# Allegro board HI3516ADMEB_VER_C_PCB.brd (continued)
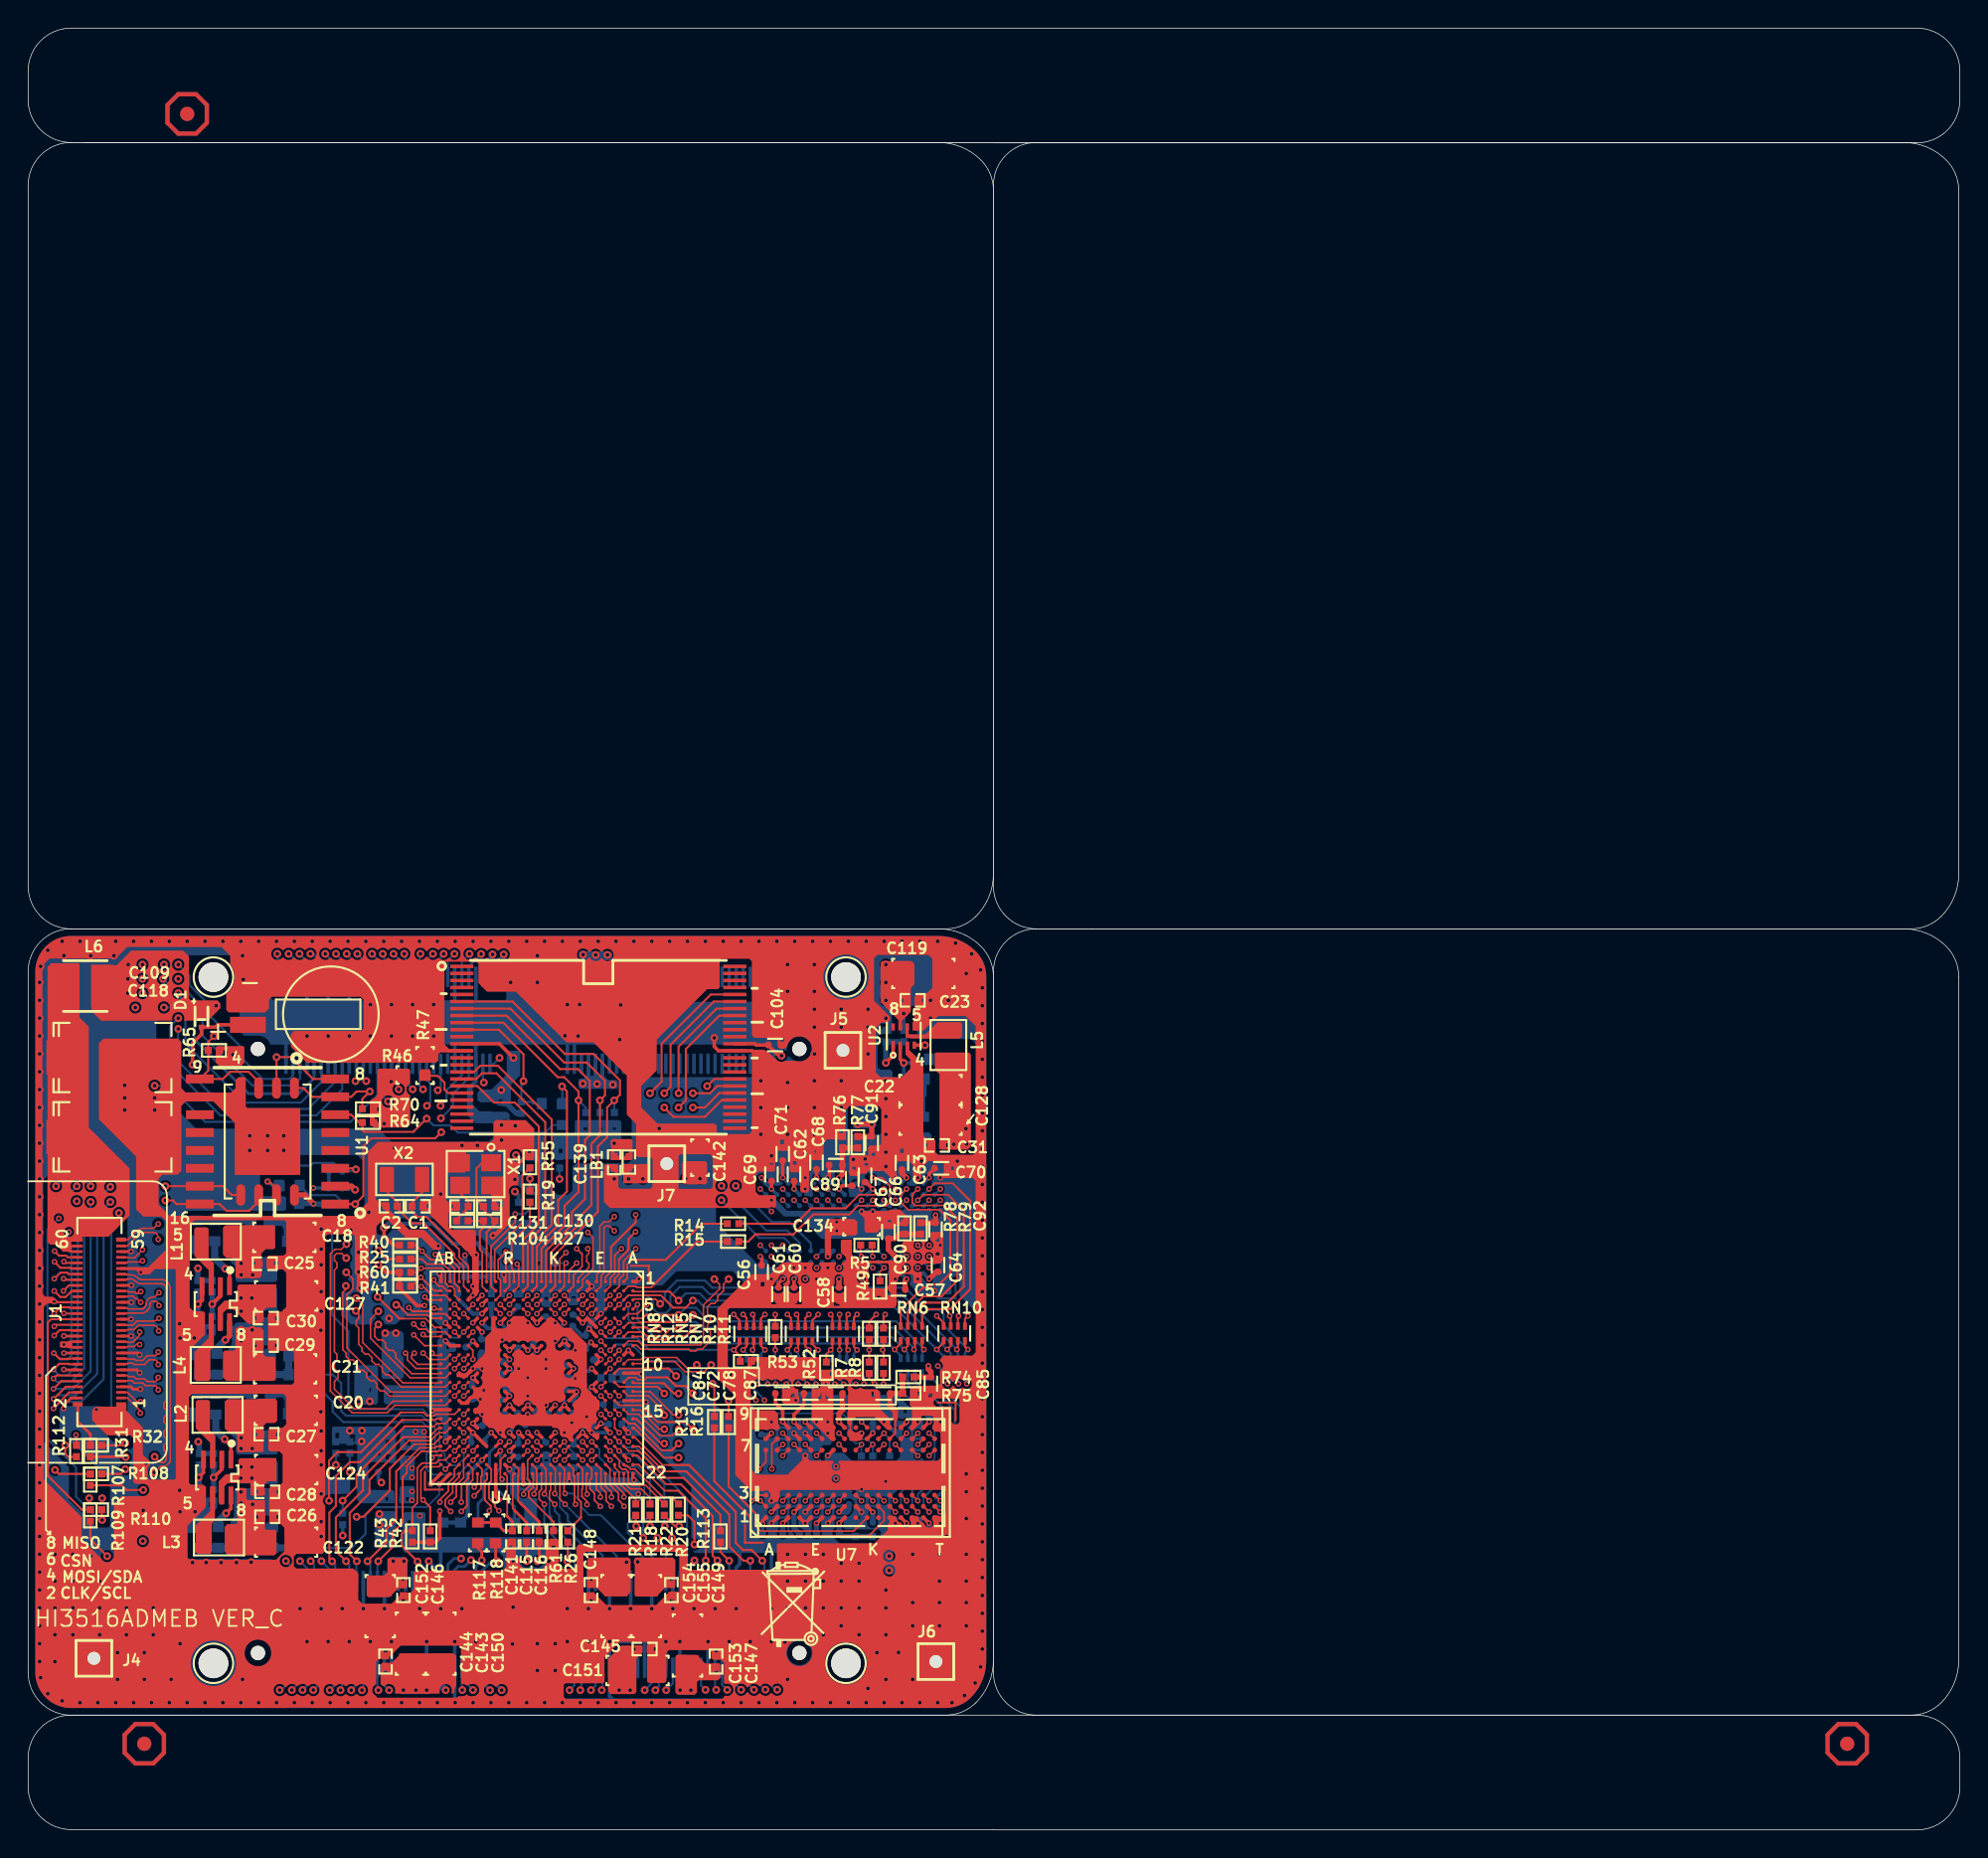
[diagram p0: board, top side]
## Placement (name value [footprint] x y rotation side) (continued)
R132  0  [SR0603]  17.83 46.47 90 bottom
RN1  33  [SRN8-0804]  57.92 32.97 0 bottom
RN2  33  [SRN8-0804]  62.77 32.99 0 bottom
RN3  33  [SRN8-0804]  54.98 32.97 0 bottom
RN4  33  [SRN8-0804]  51.32 32.97 0 bottom
RN5  33  [SRN8-0804]  54.98 35.25 0 top
RN6  33  [SRN8-0804]  62.77 35.28 0 top
RN7  33  [SRN8-0804]  57.92 35.25 0 top
RN8  33  [SRN8-0804]  51.32 35.25 0 top
RN9  33  [SRN8-0804]  65.82 32.99 0 bottom
RN10  33  [SRN8-0804]  65.82 35.28 0 top
U1  MX25L25635_16P  [SOP16-50-300A]  17.02 48.92 90 top
U2  MP2162GQH_Z  [MLF8M-050-0202L]  62.23 56.41 0 top
U3  NC  [WSON8-MX25L12835ZN]  17.02 48.92 180 top
U4  HI3516AV100  [BGA395-26-2222]  36.16 32.13 180 top
U7  H5TC4G63AFR_PBA  [BGA96-32-1609G]  58.43 25.39 0 top
U8  H5TC4G63AFR_PBA  [BGA96-32-1609G]  58.43 42.75 0 bottom
U9  MT29F64G08CFABAWP_B  [SOP48-20-720A]  40.52 55.61 270 top
U11  MP2122  [TSOT23-8]  13.44 25.04 180 top
U12  MP2122  [TSOT23-8]  13.34 37.36 180 top
U13  BATTERY  [BATTERY-R]  21.51 57.96 180 top
X1  24MHZ  [HSX4-0302]  31.8 46.61 180 top
X2  32.768KHZ  [HSX2-0302]  26.75 46.22 0 top

## Library data of the parts
C1 C2 C23-C31 C53 C106 C108 C110-C116 C130 C131 C139 C141 C144-C149 = SC0402
C3-C6 C12 C48 C132-C138 C142 = SC0603
C7-C11 C13-C17 C32-C47 C49-C52 C54-C105 C107 C117 C129 = SC0402-BGA
C18-C22 C119-C128 C143 C150-C155 = SC1206
C109 C118 = STC7343
D1 = HSOD523
J1 = SED60-16F-A
J2 J3 = HSED120-20M-QTH
J4-J7 = SIP-1P
L1-L5 = HSL1008
L6 = SPL0303A
LB1-LB7 = SL0402
R1-R27 R31-R33 R40-R43 R45 R48-R50 R52-R70 R72-R79 R104 R105 R107-R110 R112-R116 R130 = SR0402
R28-R30 R36-R39 R44 R46 R47 R51 R71 R80-R103 R106 R111 R117 R118 R131 R132 = SR0603
RN1-RN10 = SRN8-0804: signal model: SRN8-0804_33
U1 = SOP16-50-300A
U2 = MLF8M-050-0202L
U3 = WSON8-MX25L12835ZN
U4 = BGA395-26-2222
U7 U8 = BGA96-32-1609G
U9 = SOP48-20-720A
U11 U12 = TSOT23-8
U13 = BATTERY-R
X1 = HSX4-0302
X2 = HSX2-0302

## Footprints (pads in the part's own frame, mm; a bottom-side part is the same pattern mirrored in y, then rotated)
BATTERY-R
  rect 2.54x1.143 smd: 1(5.9,0.75) 2(5.9,-0.75)
BGA96-32-1609G
  round 0.356 smd: A1(-6,-3.2) A2(-6,-2.4) A3(-6,-1.6) A7(-6,1.6) A8(-6,2.4) A9(-6,3.2) B1(-5.2,-3.2) B2(-5.2,-2.4) B3(-5.2,-1.6) B7(-5.2,1.6) B8(-5.2,2.4) B9(-5.2,3.2) C1(-4.4,-3.2) C2(-4.4,-2.4) C3(-4.4,-1.6) C7(-4.4,1.6) C8(-4.4,2.4) C9(-4.4,3.2) D1(-3.6,-3.2) D2(-3.6,-2.4) D3(-3.6,-1.6) D7(-3.6,1.6) D8(-3.6,2.4) D9(-3.6,3.2) E1(-2.8,-3.2) E2(-2.8,-2.4) E3(-2.8,-1.6) E7(-2.8,1.6) E8(-2.8,2.4) E9(-2.8,3.2) F1(-2,-3.2) F2(-2,-2.4) F3(-2,-1.6) F7(-2,1.6) F8(-2,2.4) F9(-2,3.2) G1(-1.2,-3.2) G2(-1.2,-2.4) G3(-1.2,-1.6) G7(-1.2,1.6) G8(-1.2,2.4) G9(-1.2,3.2) H1(-0.4,-3.2) H2(-0.4,-2.4) H3(-0.4,-1.6) H7(-0.4,1.6) H8(-0.4,2.4) H9(-0.4,3.2) J1(0.4,-3.2) J2(0.4,-2.4) J3(0.4,-1.6) J7(0.4,1.6) J8(0.4,2.4) J9(0.4,3.2) K1(1.2,-3.2) K2(1.2,-2.4) K3(1.2,-1.6) K7(1.2,1.6) K8(1.2,2.4) K9(1.2,3.2) L1(2,-3.2) L2(2,-2.4) L3(2,-1.6) L7(2,1.6) L8(2,2.4) L9(2,3.2) M1(2.8,-3.2) M2(2.8,-2.4) M3(2.8,-1.6) M7(2.8,1.6) M8(2.8,2.4) M9(2.8,3.2) N1(3.6,-3.2) N2(3.6,-2.4) N3(3.6,-1.6) N7(3.6,1.6) N8(3.6,2.4) N9(3.6,3.2) P1(4.4,-3.2) P2(4.4,-2.4) P3(4.4,-1.6) P7(4.4,1.6) P8(4.4,2.4) P9(4.4,3.2) R1(5.2,-3.2) R2(5.2,-2.4) R3(5.2,-1.6) R7(5.2,1.6) R8(5.2,2.4) R9(5.2,3.2) T1(6,-3.2) T2(6,-2.4) T3(6,-1.6) T7(6,1.6) T8(6,2.4) T9(6,3.2)
BGA395-26-2222
  round 0.254 smd: A1(-6.825,-6.825) A2(-6.825,-6.175) A3(-6.825,-5.525) A4(-6.825,-4.875) A5(-6.825,-4.225) A6(-6.825,-3.575) A7(-6.825,-2.925) A8(-6.825,-2.275) A9(-6.825,-1.625) A10(-6.825,-0.975) A11(-6.825,-0.325) A12(-6.825,0.325) A13(-6.825,0.975) A14(-6.825,1.625) A15(-6.825,2.275) A16(-6.825,2.925) A17(-6.825,3.575) A18(-6.825,4.225) A19(-6.825,4.875) A20(-6.825,5.525) A21(-6.825,6.175) A22(-6.825,6.825) AA1(6.175,-6.825) AA2(6.175,-6.175) AA3(6.175,-5.525) AA4(6.175,-4.875) AA5(6.175,-4.225) AA6(6.175,-3.575) AA7(6.175,-2.925) AA8(6.175,-2.275) AA9(6.175,-1.625) AA10(6.175,-0.975) AA11(6.175,-0.325) AA12(6.175,0.325) AA13(6.175,0.975) AA14(6.175,1.625) AA15(6.175,2.275) AA16(6.175,2.925) AA17(6.175,3.575) AA18(6.175,4.225) AA19(6.175,4.875) AA20(6.175,5.525) AA21(6.175,6.175) AA22(6.175,6.825) AB1(6.825,-6.825) AB2(6.825,-6.175) AB3(6.825,-5.525) AB4(6.825,-4.875) AB5(6.825,-4.225) AB6(6.825,-3.575) AB7(6.825,-2.925) AB8(6.825,-2.275) AB9(6.825,-1.625) AB10(6.825,-0.975) AB11(6.825,-0.325) AB12(6.825,0.325) AB13(6.825,0.975) AB14(6.825,1.625) AB15(6.825,2.275) AB16(6.825,2.925) AB17(6.825,3.575) AB18(6.825,4.225) AB19(6.825,4.875) AB20(6.825,5.525) AB21(6.825,6.175) AB22(6.825,6.825) B1(-6.175,-6.825) B2(-6.175,-6.175) B3(-6.175,-5.525) B4(-6.175,-4.875) B5(-6.175,-4.225) B6(-6.175,-3.575) B7(-6.175,-2.925) B8(-6.175,-2.275) B9(-6.175,-1.625) B10(-6.175,-0.975) B11(-6.175,-0.325) B12(-6.175,0.325) B13(-6.175,0.975) B14(-6.175,1.625) B15(-6.175,2.275) B16(-6.175,2.925) B17(-6.175,3.575) B18(-6.175,4.225) B19(-6.175,4.875) B20(-6.175,5.525) B21(-6.175,6.175) B22(-6.175,6.825) C1(-5.525,-6.825) C2(-5.525,-6.175) C3(-5.525,-5.525) C4(-5.525,-4.875) C5(-5.525,-4.225) C6(-5.525,-3.575) C7(-5.525,-2.925) C8(-5.525,-2.275) C9(-5.525,-1.625) C10(-5.525,-0.975) C11(-5.525,-0.325) C12(-5.525,0.325) C13(-5.525,0.975) C14(-5.525,1.625) C15(-5.525,2.275) C16(-5.525,2.925) C18(-5.525,4.225) C19(-5.525,4.875) C20(-5.525,5.525) C21(-5.525,6.175) C22(-5.525,6.825) D1(-4.875,-6.825) D2(-4.875,-6.175) D3(-4.875,-5.525) D4(-4.875,-4.875) D5(-4.875,-4.225) D6(-4.875,-3.575) D7(-4.875,-2.925) D8(-4.875,-2.275) D9(-4.875,-1.625) D10(-4.875,-0.975) D11(-4.875,-0.325) D12(-4.875,0.325) D13(-4.875,0.975) D14(-4.875,1.625) D15(-4.875,2.275) D16(-4.875,2.925) D17(-4.875,3.575) D18(-4.875,4.225) D19(-4.875,4.875) D20(-4.875,5.525) D21(-4.875,6.175) D22(-4.875,6.825) E1(-4.225,-6.825) E2(-4.225,-6.175) E3(-4.225,-5.525) E4(-4.225,-4.875) E5(-4.225,-4.225) E6(-4.225,-3.575) E7(-4.225,-2.925) E8(-4.225,-2.275) E9(-4.225,-1.625) E10(-4.225,-0.975) E11(-4.225,-0.325) E12(-4.225,0.325) E13(-4.225,0.975) E14(-4.225,1.625) E17(-4.225,3.575) E18(-4.225,4.225) E19(-4.225,4.875) E20(-4.225,5.525) E21(-4.225,6.175) E22(-4.225,6.825) F1(-3.575,-6.825) F2(-3.575,-6.175) F3(-3.575,-5.525) F4(-3.575,-4.875) F5(-3.575,-4.225) F18(-3.575,4.225) F19(-3.575,4.875) F20(-3.575,5.525) F21(-3.575,6.175) F22(-3.575,6.825) G1(-2.925,-6.825) G2(-2.925,-6.175) G3(-2.925,-5.525) G4(-2.925,-4.875) G5(-2.925,-4.225) G18(-2.925,4.225) G19(-2.925,4.875) G20(-2.925,5.525) G21(-2.925,6.175) G22(-2.925,6.825) H1(-2.275,-6.825) H2(-2.275,-6.175) H3(-2.275,-5.525) H4(-2.275,-4.875) H8(-2.275,-2.275) H9(-2.275,-1.625) H10(-2.275,-0.975) H11(-2.275,-0.325) H12(-2.275,0.325) H13(-2.275,0.975) H14(-2.275,1.625) H15(-2.275,2.275) H18(-2.275,4.225) H19(-2.275,4.875) H20(-2.275,5.525) H21(-2.275,6.175) H22(-2.275,6.825) J1(-1.625,-6.825) J2(-1.625,-6.175) J3(-1.625,-5.525) J4(-1.625,-4.875) J5(-1.625,-4.225) J8(-1.625,-2.275) J9(-1.625,-1.625) J10(-1.625,-0.975) J11(-1.625,-0.325) J12(-1.625,0.325) J13(-1.625,0.975) J14(-1.625,1.625) J15(-1.625,2.275) J19(-1.625,4.875) J20(-1.625,5.525) J21(-1.625,6.175) J22(-1.625,6.825) K1(-0.975,-6.825) K2(-0.975,-6.175) K3(-0.975,-5.525) K4(-0.975,-4.875) K5(-0.975,-4.225) K8(-0.975,-2.275) K9(-0.975,-1.625) K10(-0.975,-0.975) K11(-0.975,-0.325) K12(-0.975,0.325) K13(-0.975,0.975) K14(-0.975,1.625) K15(-0.975,2.275) K18(-0.975,4.225) K19(-0.975,4.875) K20(-0.975,5.525) K21(-0.975,6.175) K22(-0.975,6.825) L1(-0.325,-6.825) L2(-0.325,-6.175) L3(-0.325,-5.525) L4(-0.325,-4.875) L5(-0.325,-4.225) L8(-0.325,-2.275) L9(-0.325,-1.625) L10(-0.325,-0.975) L11(-0.325,-0.325) L12(-0.325,0.325) L13(-0.325,0.975) L14(-0.325,1.625) L15(-0.325,2.275) L18(-0.325,4.225) L19(-0.325,4.875) L20(-0.325,5.525) L21(-0.325,6.175) L22(-0.325,6.825) M1(0.325,-6.825) M2(0.325,-6.175) M3(0.325,-5.525) M4(0.325,-4.875) M5(0.325,-4.225) M8(0.325,-2.275) M9(0.325,-1.625) M10(0.325,-0.975) M11(0.325,-0.325) M12(0.325,0.325) M13(0.325,0.975) M14(0.325,1.625) M15(0.325,2.275) M18(0.325,4.225) M19(0.325,4.875) M20(0.325,5.525) M21(0.325,6.175) M22(0.325,6.825) N1(0.975,-6.825) N2(0.975,-6.175) N3(0.975,-5.525) N4(0.975,-4.875) N5(0.975,-4.225) N8(0.975,-2.275) N9(0.975,-1.625) N10(0.975,-0.975) N11(0.975,-0.325) N12(0.975,0.325) N13(0.975,0.975) N14(0.975,1.625) N15(0.975,2.275) N18(0.975,4.225) N19(0.975,4.875) N20(0.975,5.525) N21(0.975,6.175) N22(0.975,6.825) P1(1.625,-6.825) P2(1.625,-6.175) P3(1.625,-5.525) P4(1.625,-4.875) P5(1.625,-4.225) P8(1.625,-2.275) P9(1.625,-1.625) P10(1.625,-0.975) P11(1.625,-0.325) P12(1.625,0.325) P13(1.625,0.975) P14(1.625,1.625) P15(1.625,2.275) P18(1.625,4.225) P19(1.625,4.875) P20(1.625,5.525) P21(1.625,6.175) P22(1.625,6.825) R1(2.275,-6.825) R2(2.275,-6.175) R3(2.275,-5.525) R4(2.275,-4.875) R5(2.275,-4.225) R8(2.275,-2.275) R9(2.275,-1.625) R10(2.275,-0.975) R11(2.275,-0.325) R12(2.275,0.325) R13(2.275,0.975) R14(2.275,1.625) R15(2.275,2.275) R18(2.275,4.225) R19(2.275,4.875) R20(2.275,5.525) R21(2.275,6.175) R22(2.275,6.825) T1(2.925,-6.825) T2(2.925,-6.175) T3(2.925,-5.525) T4(2.925,-4.875) T5(2.925,-4.225) T18(2.925,4.225) T19(2.925,4.875) T20(2.925,5.525) T21(2.925,6.175) T22(2.925,6.825) U1(3.575,-6.825) U2(3.575,-6.175) U3(3.575,-5.525) U4(3.575,-4.875) U5(3.575,-4.225) U19(3.575,4.875) U20(3.575,5.525) U21(3.575,6.175) U22(3.575,6.825) V1(4.225,-6.825) V2(4.225,-6.175) V3(4.225,-5.525) V4(4.225,-4.875) V5(4.225,-4.225) V6(4.225,-3.575) V8(4.225,-2.275) V10(4.225,-0.975) V11(4.225,-0.325) V12(4.225,0.325) V13(4.225,0.975) V15(4.225,2.275) V16(4.225,2.925) V17(4.225,3.575) V18(4.225,4.225) V19(4.225,4.875) V20(4.225,5.525) V21(4.225,6.175) V22(4.225,6.825) W1(4.875,-6.825) W2(4.875,-6.175) W3(4.875,-5.525) W4(4.875,-4.875) W5(4.875,-4.225) W6(4.875,-3.575) W7(4.875,-2.925) W8(4.875,-2.275) W9(4.875,-1.625) W10(4.875,-0.975) W11(4.875,-0.325) W12(4.875,0.325) W13(4.875,0.975) W14(4.875,1.625) W15(4.875,2.275) W16(4.875,2.925) W17(4.875,3.575) W18(4.875,4.225) W19(4.875,4.875) W20(4.875,5.525) W21(4.875,6.175) W22(4.875,6.825) Y1(5.525,-6.825) Y2(5.525,-6.175) Y3(5.525,-5.525) Y4(5.525,-4.875) Y5(5.525,-4.225) Y6(5.525,-3.575) Y7(5.525,-2.925) Y8(5.525,-2.275) Y9(5.525,-1.625) Y10(5.525,-0.975) Y11(5.525,-0.325) Y12(5.525,0.325) Y13(5.525,0.975) Y14(5.525,1.625) Y15(5.525,2.275) Y16(5.525,2.925) Y17(5.525,3.575) Y18(5.525,4.225) Y19(5.525,4.875) Y20(5.525,5.525) Y21(5.525,6.175) Y22(5.525,6.825)
HSED120-20M-QTH
  round 1.016 hole 1.016 unplated: (-19.241,2.032) (19.241,2.032)
  rect 0.254x1.448 smd: 1(-17.251,3.086) 2(-17.251,-3.086) 3(-16.751,3.086) 4(-16.751,-3.086) 5(-16.251,3.086) 6(-16.251,-3.086) 7(-15.751,3.086) 8(-15.751,-3.086) 9(-15.251,3.086) 10(-15.251,-3.086) 11(-14.751,3.086) 12(-14.751,-3.086) 13(-14.251,3.086) 14(-14.251,-3.086) 15(-13.751,3.086) 16(-13.751,-3.086) 17(-13.251,3.086) 18(-13.251,-3.086) 19(-12.751,3.086) 20(-12.751,-3.086) 21(-12.251,3.086) 22(-12.251,-3.086) 23(-11.751,3.086) 24(-11.751,-3.086) 25(-11.251,3.086) 26(-11.251,-3.086) 27(-10.751,3.086) 28(-10.751,-3.086) 29(-10.251,3.086) 30(-10.251,-3.086) 31(-9.751,3.086) 32(-9.751,-3.086) 33(-9.251,3.086) 34(-9.251,-3.086) 35(-8.751,3.086) 36(-8.751,-3.086) 37(-8.251,3.086) 38(-8.251,-3.086) 39(-7.751,3.086) 40(-7.751,-3.086) 41(-7.251,3.086) 42(-7.251,-3.086) 43(-6.751,3.086) 44(-6.751,-3.086) 45(-6.251,3.086) 46(-6.251,-3.086) 47(-5.751,3.086) 48(-5.751,-3.086) 49(-5.251,3.086) 50(-5.251,-3.086) 51(-4.751,3.086) 52(-4.751,-3.086) 53(-4.251,3.086) 54(-4.251,-3.086) 55(-3.751,3.086) 56(-3.751,-3.086) 57(-3.251,3.086) 58(-3.251,-3.086) 59(-2.751,3.086) 60(-2.751,-3.086) 61(2.751,3.086) 62(2.751,-3.086) 63(3.251,3.086) 64(3.251,-3.086) 65(3.751,3.086) 66(3.751,-3.086) 67(4.251,3.086) 68(4.251,-3.086) 69(4.751,3.086) 70(4.751,-3.086) 71(5.251,3.086) 72(5.251,-3.086) 73(5.751,3.086) 74(5.751,-3.086) 75(6.251,3.086) 76(6.251,-3.086) 77(6.751,3.086) 78(6.751,-3.086) 79(7.251,3.086) 80(7.251,-3.086) 81(7.751,3.086) 82(7.751,-3.086) 83(8.251,3.086) 84(8.251,-3.086) 85(8.751,3.086) 86(8.751,-3.086) 87(9.251,3.086) 88(9.251,-3.086) 89(9.751,3.086) 90(9.751,-3.086) 91(10.251,3.086) 92(10.251,-3.086) 93(10.751,3.086) 94(10.751,-3.086) 95(11.251,3.086) 96(11.251,-3.086) 97(11.751,3.086) 98(11.751,-3.086) 99(12.251,3.086) 100(12.251,-3.086) 101(12.751,3.086) 102(12.751,-3.086) 103(13.251,3.086) 104(13.251,-3.086) 105(13.751,3.086) 106(13.751,-3.086) 107(14.251,3.086) 108(14.251,-3.086) 109(14.751,3.086) 110(14.751,-3.086) 111(15.251,3.086) 112(15.251,-3.086) 113(15.751,3.086) 114(15.751,-3.086) 115(16.251,3.086) 116(16.251,-3.086) 117(16.751,3.086) 118(16.751,-3.086) 119(17.251,3.086) 120(17.251,-3.086)
  rect 2.54x0.635 smd: 121(-18.452,0) 124(-1.561,0) 125(1.551,0) 128(18.442,0)
  rect 4.699x0.635 smd: 122(-13.181,0) 123(-6.831,0) 126(6.822,0) 127(13.172,0)
HSL1008
  rect 0.94x1.905 smd: 1(-1.029,0) 2(1.029,0)
HSOD523
  rect 0.356x0.406 smd: 1(0.762,0) 2(-0.762,0)
HSX2-0302
  rect 1.016x1.778 smd: 1(-1.25,0) 2(1.25,0)
HSX4-0302
  rect 1.397x1.219 smd: 1(-1.1,-0.8) 2(1.1,-0.8) 3(1.1,0.8) 4(-1.1,0.8)
MLF8M-050-0202L
  rect 0.254x0.559 smd: 1(-0.75,-0.623)
  rect 0.254x0.508 smd: 2(-0.25,-0.648) 3(0.25,-0.648) 4(0.75,-0.648) 5(0.75,0.648) 6(0.25,0.648) 7(-0.25,0.648) 8(-0.75,0.648)
SC0402
  rect 0.508x0.508 smd: 1(-0.406,0) 2(0.406,0)
SC0402-BGA
  custom 0.475x0.51 smd: 1(-0.47,0) 2(0.47,0)
SC0603
  rect 0.762x0.813 smd: 1(-0.699,0) 2(0.699,0)
SC1206
  rect 1.295x1.651 smd: 1(-1.346,0) 2(1.346,0)
SED60-16F-A
  rect 0.305x0.711 smd: 1(-5.851,-1.54) 2(-5.851,1.54) 59(5.851,-1.54) 60(5.851,1.54)
  rect 0.203x0.711 smd: 3(-5.4,-1.54) 4(-5.4,1.54) 5(-5,-1.54) 6(-5,1.54) 7(-4.6,-1.54) 8(-4.6,1.54) 9(-4.2,-1.54) 10(-4.2,1.54) 11(-3.8,-1.54) 12(-3.8,1.54) 13(-3.4,-1.54) 14(-3.4,1.54) 15(-3,-1.54) 16(-3,1.54) 17(-2.6,-1.54) 18(-2.6,1.54) 19(-2.2,-1.54) 20(-2.2,1.54) 21(-1.8,-1.54) 22(-1.8,1.54) 23(-1.4,-1.54) 24(-1.4,1.54) 25(-1,-1.54) 26(-1,1.54) 27(-0.6,-1.54) 28(-0.6,1.54) 29(-0.2,-1.54) 30(-0.2,1.54) 31(0.2,-1.54) 32(0.2,1.54) 33(0.6,-1.54) 34(0.6,1.54) 35(1,-1.54) 36(1,1.54) 37(1.4,-1.54) 38(1.4,1.54) 39(1.8,-1.54) 40(1.8,1.54) 41(2.2,-1.54) 42(2.2,1.54) 43(2.6,-1.54) 44(2.6,1.54) 45(3,-1.54) 46(3,1.54) 47(3.4,-1.54) 48(3.4,1.54) 49(3.8,-1.54) 50(3.8,1.54) 51(4.2,-1.54) 52(4.2,1.54) 53(4.6,-1.54) 54(4.6,1.54) 55(5,-1.54) 56(5,1.54) 57(5.4,-1.54) 58(5.4,1.54)
SIP-1P
  round 1.651 hole 0.914: 1(0,0)
SL0402
  rect 0.483x0.508 smd: 1(-0.394,0) 2(0.394,0)
SOP16-50-300A
  rect 0.635x1.981 smd: 1(-4.445,-4.813) 2(-3.175,-4.813) 3(-1.905,-4.813) 4(-0.635,-4.813) 5(0.635,-4.813) 6(1.905,-4.813) 7(3.175,-4.813) 8(4.445,-4.813) 9(4.445,4.813) 10(3.175,4.813) 11(1.905,4.813) 12(0.635,4.813) 13(-0.635,4.813) 14(-1.905,4.813) 15(-3.175,4.813) 16(-4.445,4.813)
SOP48-20-720A
  rect 0.254x1.651 smd: 1(-5.75,-9.703) 2(-5.25,-9.703) 3(-4.75,-9.703) 4(-4.25,-9.703) 5(-3.75,-9.703) 6(-3.25,-9.703) 7(-2.75,-9.703) 8(-2.25,-9.703) 9(-1.75,-9.703) 10(-1.25,-9.703) 11(-0.75,-9.703) 12(-0.25,-9.703) 13(0.25,-9.703) 14(0.75,-9.703) 15(1.25,-9.703) 16(1.75,-9.703) 17(2.25,-9.703) 18(2.75,-9.703) 19(3.25,-9.703) 20(3.75,-9.703) 21(4.25,-9.703) 22(4.75,-9.703) 23(5.25,-9.703) 24(5.75,-9.703) 25(5.75,9.703) 26(5.25,9.703) 27(4.75,9.703) 28(4.25,9.703) 29(3.75,9.703) 30(3.25,9.703) 31(2.75,9.703) 32(2.25,9.703) 33(1.75,9.703) 34(1.25,9.703) 35(0.75,9.703) 36(0.25,9.703) 37(-0.25,9.703) 38(-0.75,9.703) 39(-1.25,9.703) 40(-1.75,9.703) 41(-2.25,9.703) 42(-2.75,9.703) 43(-3.25,9.703) 44(-3.75,9.703) 45(-4.25,9.703) 46(-4.75,9.703) 47(-5.25,9.703) 48(-5.75,9.703)
SPL0303A
  rect 1.575x3.048 smd: 1(-1.201,0) 2(1.201,0)
SR0402
  rect 0.508x0.508 smd: 1(-0.406,0) 2(0.406,0)
SR0603
  rect 0.711x0.813 smd: 1(-0.737,0) 2(0.737,0)
SRN8-0804
  rect 0.279x0.533 smd: 1(-0.762,-0.521) 2(-0.254,-0.521) 3(0.254,-0.521) 4(0.762,-0.521) 5(0.762,0.521) 6(0.254,0.521) 7(-0.254,0.521) 8(-0.762,0.521)
STC7343
  rect 2.54x2.413 smd: 1(-3.429,0) 2(3.429,0)
TSOT23-8
  rect 0.356x1.27 smd: 1(-0.975,-1.275) 2(-0.325,-1.275) 3(0.325,-1.275) 4(0.975,-1.275) 5(0.975,1.275) 6(0.325,1.275) 7(-0.325,1.275) 8(-0.975,1.275)
unnamed#2
  round 1.016 smd: 1(0,0)
unnamed#3
  round 2.108 hole 2.108 unplated: (0,0)
WSON8-MX25L12835ZN
  oval 0.635x1.524 smd: 1(-1.905,-3.8) 2(-0.635,-3.8) 3(0.635,-3.8) 4(1.905,-3.8) 5(1.905,3.8) 6(0.635,3.8) 7(-0.635,3.8) 8(-1.905,3.8)
  rect 4.648x4.75 smd: 9(0,0)

## Nets
1V1_CPU_CORE: C13.1 C21.1 C29.1 C41.1 C126.1 L4.2 R39.1 U4.P8 U4.R8 U4.R9
1V1_DDR_CORE: C11.1 C18.1 C25.1 C39.1 C40.1 C121.1 L1.2 R38.2 U4.H8 U4.H10 U4.H11 U4.J8
1V1_MEDIA_CORE: C10.1 C19.1 C26.1 C37.1 C38.1 C46.1 C48.1 C53.1 C106.1 C122.1 L3.2 R36.2 U4.H15 U4.J15 U4.M15 U4.N15 U4.R13 U4.R14
1V1_VDD_CORE: C7.1 C8.1 C9.1 C14.1 C20.1 C27.1 C33.1 C34.1 C35.1 C36.1 C47.1 C117.1 C123.1 L2.2 LB2.1 R37.2 U4.H13 U4.H14 U4.K15 U4.L8 U4.M8 U4.N8 U4.P15 U4.R10 U4.R11 U4.R15
1V5_1V35_DDRIO: C22.1 C31.1 C42.1 C43.1 C51.1 C52.1 C56.1 C57.1 C58.1 C59.1 C60.1 C61.1 C62.1 C63.1 C64.1 C65.1 C66.1 C67.1 C68.1 C69.1 C70.1 C71.1 C72.1 C73.1 C74.1 C75.1 C76.1 C77.1 C78.1 C79.1 C80.1 C81.1 C82.1 C83.1 C84.1 C85.1 C86.1 C91.1 C92.1 C108.1 C128.1 C132.1 C133.1 C134.1 C135.1 C142.1 L5.1 R28.2 R72.1 R74.1 R77.1 R79.1 U2.4 U4.E6 U4.E9 U4.E10 U4.E12 U4.E13 U4.F5 U4.G5 U7.A1 U7.A8 U7.B2 U7.C1 U7.C9 U7.D2 U7.D9 U7.E9 U7.F1 U7.G7 U7.H2 U7.H9 U7.K2 U7.K8 U7.N1 U7.N9 U7.R1 U7.R9 U8.A1 U8.A8 U8.B2 U8.C1 U8.C9 U8.D2 U8.D9 U8.E9 U8.F1 U8.G7 U8.H2 U8.H9 U8.K2 U8.K8 U8.N1 U8.N9 U8.R1 U8.R9
1V8: C102.1 C147.1 C153.1 J2.95 U4.L18
3V3: C12.1 C23.1 C28.1 C30.1 C32.1 C44.1 C49.1 C50.1 C98.1 C103.1 C104.1 C105.1 C107.1 C119.1 C120.1 C124.1 C125.1 C127.1 C137.1 C138.1 C139.1 C143.1 C144.1 C150.1 D1.2 J2.35 J2.37 J3.67 J3.68 J3.69 J3.70 J3.71 J3.72 L6.2(TP-2) LB1.1 LB4.1 LB5.1 LB6.1 LB7.1 R1.1 R2.1 R3.1 R4.1 R42.1 R43.1 R45.1 R46.2 R54.1 R58.1 R59.2 R63.1 R64.1 R66.2 R67.2 R68.2 R69.2 R70.1 R105.1 R114.1 R116.2 R130.1 U1.2 U2.7 U3.8 U4.F18 U4.G18 U4.L5 U4.M5 U4.V8 U4.V16 U4.V17 U9.12 U9.37 U11.7 U12.7
3V3_1V8_RGMII_IO: C96.1 C145.1 C151.1 J2.77 J2.79 U4.E17
AVDD11_PLL: C95.1 LB2.2 U4.R5
AVDD33_AC: C16.1 LB5.2 U4.N18
AVDD33_PLL: C93.1 LB3.2 U4.U5
AVDD33_RTC: C94.1 LB4.2 U4.U4
AVDD33_USB: C101.1 LB7.2 U4.T18
AVDD33_VDAC: C17.1 LB6.2 U4.P18
AVDD_BAT: D1.1 U4.U3 U13.1
AVDD_DDRPLL: C45.1 C54.1 C55.1 LB1.2 U4.E8 U4.E11 U4.J5
DVDD3318_SENSOR: C99.1 C100.1 C146.1 C152.1 J2.34 J2.36 R40.1 R41.1 R60.1 R115.2 U4.V6 U4.V11 U4.V12
GND: C1.2 C2.2 C3.2 C4.2 C5.2 C6.2 C7.2 C8.2 C9.2 C10.2 C11.2 C12.2 C13.2 C14.2 C15.2 C16.2 C17.2 C18.2 C19.2 C20.2 C21.2 C22.2 C23.2 C24.2 C25.2 C26.2 C27.2 C28.2 C29.2 C30.2 C31.2 C32.2 C33.2 C34.2 C35.2 C36.2 C37.2 C38.2 C39.2 C40.2 C41.2 C42.2 C43.2 C44.2 C45.2 C46.2 C47.2 C48.2 C49.2 C50.2 C51.2 C52.2 C53.2 C54.2 C55.2 C56.2 C57.2 C58.2 C59.2 C60.2 C61.2 C62.2 C63.2 C64.2 C65.2 C66.2 C67.2 C68.2 C69.2 C70.2 C71.2 C72.2 C73.2 C74.2 C75.2 C76.2 C77.2 C78.2 C79.2 C80.2 C81.2 C82.2 C83.2 C84.2 C85.2 C86.2 C87.2 C88.2 C89.2 C90.2 C91.2 C92.2 C93.2 C94.2 C95.2 C96.2 C97.2 C98.2 C99.2 C100.2 C101.2 C102.2 C103.2 C104.2 C105.2 C106.2 C107.2 C108.2 C109.2 C110.2 C111.2 C112.2 C113.2 C114.2 C117.2 C118.2 C119.2 C120.2 C121.2 C122.2 C123.2 C124.2 C125.2 C126.2 C127.2 C128.2 C129.2 C130.2 C131.2 C132.2 C133.2 C134.2 C135.2 C136.2 C137.2 C138.2 C139.2 C141.2 C142.2 C143.2 C144.2 C145.2 C146.2 C147.2 C148.2 C149.2 C150.2 C151.2 C152.2 C153.2 C154.2 C155.2 J1.1 J1.4 J1.7 J1.13 J1.14 J1.19 J1.20 J1.25 J1.26 J1.31 J1.37 J1.38 J1.43 J1.49 J1.54 J1.55 J2.1 J2.2 J2.6 J2.7 J2.12 J2.13 J2.18 J2.19 J2.24 J2.25 J2.30 J2.31 J2.40 J2.41 J2.46 J2.49 J2.52 J2.55 J2.61 J2.62 J2.67 J2.68 J2.73 J2.74 J2.80 J2.83 J2.86 J2.89 J2.92 J2.93 J2.98 J2.101 J2.104 J2.107 J2.110 J2.113 J2.119 J2.120 J2.121 J2.122 J2.123 J2.124 J2.125 J2.126 J2.127 J2.128 J3.1 J3.2 J3.7 J3.8 J3.13 J3.14 J3.19 J3.20 J3.25 J3.26 J3.31 J3.32 J3.37 J3.38 J3.43 J3.44 J3.49 J3.50 J3.55 J3.56 J3.61 J3.62 J3.63 J3.64 J3.75 J3.76 J3.77 J3.78 J3.119 J3.120 J3.121 J3.122 J3.123 J3.124 J3.125 J3.126 J3.127 J3.128 J4.1(TP-1) J5.1(TP-1) J6.1(TP-1) J7.1(TP-1) R29.2 R30.2 R44.2 R47.2 R48.2 R49.2 R50.2 R51.2 R52.2 R53.2 R55.2 R56.2 R57.2 R61.2 R62.2 R65.2 R73.2 R75.2 R76.2 R78.2 R98.2 R100.2 R101.2 R102.2 R103.2 R106.2 R111.2 U1.10 U2.3 U2.5 U3.4 U3.9 U4.A1 U4.A9 U4.A11 U4.A14 U4.A22 U4.AA6 U4.AA8 U4.AA15 U4.AA18 U4.AB1 U4.AB15 U4.AB22 U4.B9 U4.B11 U4.B14 U4.B17 U4.B20 U4.D17 U4.E5 U4.E7 U4.E14 U4.E18 U4.F1 U4.F2 U4.H9 U4.H12 U4.H18 U4.H22 U4.J9 U4.J10 U4.J11 U4.J12 U4.J13 U4.J14 U4.K5 U4.K8 U4.K9 U4.K10 U4.K11 U4.K12 U4.K13 U4.K14 U4.L9 U4.L10 U4.L11 U4.L12 U4.L13 U4.L14 U4.L15 U4.M9 U4.M10 U4.M11 U4.M12 U4.M13 U4.M14 U4.N5 U4.N9 U4.N10 U4.N11 U4.N12 U4.N13 U4.N14 U4.N21 U4.N22 U4.P5 U4.P9 U4.P10 U4.P11 U4.P12 U4.P13 U4.P14 U4.P19 U4.P20 U4.R1 U4.R12 U4.R18 U4.T5 U4.T21 U4.T22 U4.U19 U4.V1 U4.V2 U4.V5 U4.V10 U4.V13 U4.V15 U4.V18 U4.W3 U4.W11 U4.W14 U4.W17 U4.Y8 U4.Y11 U4.Y14 U7.A9 U7.B1 U7.B3 U7.B9 U7.D1 U7.D8 U7.E1 U7.E2 U7.E8 U7.F9 U7.G1 U7.G8 U7.G9 U7.J2 U7.J8 U7.M1 U7.M9 U7.P1 U7.P9 U7.T1 U7.T9 U8.A9 U8.B1 U8.B3 U8.B9 U8.D1 U8.D8 U8.E1 U8.E2 U8.E8 U8.F9 U8.G1 U8.G8 U8.G9 U8.J2 U8.J8 U8.M1 U8.M9 U8.P1 U8.P9 U8.T1 U8.T9 U9.13 U9.36 U11.5 U12.5 U13.2 X1.2 X1.4
AC_LINEL: C115.2 J2.57
AC_LINER: C116.2 J2.59
AC_MICBIAS: C141.1 R117.1 R118.1 U4.R22
AC_MICBIAS_L: J2.58 R118.2
AC_MICBIAS_R: J2.56 R117.2
AC_OUTL: J2.50 U4.R19
AC_OUTR: J2.48 U4.R20
AC_VREF: C110.1 C136.1 U4.R21
AK7756_RSTN: J3.53 U4.AA3
DC_IRIS_PWM: J3.52 U4.AB20
DDR3_1_A0: RN1.5 U7.N3
DDR3_1_A1: RN3.8 U7.P7
DDR3_1_A2: RN2.6 U7.P3
DDR3_1_A3: RN2.8 U7.N2
DDR3_1_A4: R7.2 U7.P8
DDR3_1_A5: RN2.7 U7.P2
DDR3_1_A6: RN3.7 U7.R8
DDR3_1_A7: RN2.5 U7.R2
DDR3_1_A8: R8.2 U7.T8
DDR3_1_A9: RN1.7 U7.R3
DDR3_1_A10: RN4.7 U7.L7
DDR3_1_A11: RN3.5 U7.R7
DDR3_1_A12: RN4.6 U7.N7
DDR3_1_A13: RN1.6 U7.T3
DDR3_1_A14: RN3.6 U7.T7
DDR3_1_BA0: RN9.5 U7.M2
DDR3_1_BA1: RN4.5 U7.N8
DDR3_1_BA2: R9.2 U7.M3
DDR3_1_CAS_N: RN9.7 U7.K3
DDR3_1_CKE: RN4.8 U7.K9
DDR3_1_CS_N: R13.2 U7.L2
DDR3_1_RAS_N: RN9.8 U7.J3
DDR3_1_RESET_N: RN1.8 U7.T2
DDR3_1_VREF_CA: C87.1 R74.2 R75.1 U7.M8
DDR3_1_VREF_DQ: C88.1 R72.2 R73.1 U7.H1
DDR3_1_WE_N: RN9.6 U7.L3
DDR3_2_A0: RN7.5 U8.N3
DDR3_2_A1: RN5.8 U8.P7
DDR3_2_A2: RN6.6 U8.P3
DDR3_2_A3: RN6.8 U8.N2
DDR3_2_A4: R10.2 U8.P8
DDR3_2_A5: RN6.7 U8.P2
DDR3_2_A6: RN5.7 U8.R8
DDR3_2_A7: RN6.5 U8.R2
DDR3_2_A8: R11.2 U8.T8
DDR3_2_A9: RN7.7 U8.R3
DDR3_2_A10: RN8.7 U8.L7
DDR3_2_A11: RN5.5 U8.R7
DDR3_2_A12: RN8.6 U8.N7
DDR3_2_A13: RN7.6 U8.T3
DDR3_2_A14: RN5.6 U8.T7
DDR3_2_BA0: RN10.5 U8.M2
DDR3_2_BA1: RN8.5 U8.N8
DDR3_2_BA2: R12.2 U8.M3
DDR3_2_CAS_N: RN10.7 U8.K3
DDR3_2_CKE: RN8.8 U8.K9
DDR3_2_CS_N: R14.2 U8.L2
DDR3_2_RAS_N: RN10.8 U8.J3
DDR3_2_RESET_N: RN7.8 U8.T2
DDR3_2_VREF_CA: C90.1 R78.1 R79.2 U8.M8
DDR3_2_VREF_DQ: C89.1 R76.1 R77.2 U8.H1
DDR3_2_WE_N: RN10.6 U8.L3
DDR3_A0_HI3516A: RN1.4 RN7.4 U4.A7
DDR3_A1_HI3516A: RN3.1 RN5.1 U4.C5
DDR3_A2_HI3516A: RN2.3 RN6.3 U4.B5
DDR3_A3_HI3516A: RN2.1 RN6.1 U4.B4
DDR3_A4_HI3516A: R7.1 R10.1 U4.C9
DDR3_A5_HI3516A: RN2.2 RN6.2 U4.A4
DDR3_A6_HI3516A: RN3.2 RN5.2 U4.C3
DDR3_A7_HI3516A: RN2.4 RN6.4 U4.A5
DDR3_A8_HI3516A: R8.1 R11.1 U4.D4
DDR3_A9_HI3516A: RN1.2 RN7.2 U4.A6
DDR3_A10_HI3516A: RN4.2 RN8.2 U4.C6
DDR3_A11_HI3516A: RN3.4 RN5.4 U4.D6
DDR3_A12_HI3516A: RN4.3 RN8.3 U4.C7
DDR3_A13_HI3516A: RN1.3 RN7.3 U4.B7
DDR3_A14_HI3516A: RN3.3 RN5.3 U4.D5
DDR3_BA0_HI3516A: RN9.4 RN10.4 U4.A3
DDR3_BA1_HI3516A: RN4.4 RN8.4 U4.D9
DDR3_BA2_HI3516A: R9.1 R12.1 U4.D8
DDR3_CAS_N_HI3516A: RN9.2 RN10.2 U4.A2
DDR3_CKE_HI3516A: R53.1 RN4.1 RN8.1 U4.D7
DDR3_CLK0_N: R6.1 U4.A10 U7.K7
DDR3_CLK0_P: R6.2 U4.B10 U7.J7
DDR3_CLK1_N: R5.1 U4.B8 U8.K7
DDR3_CLK1_P: R5.2 U4.A8 U8.J7
DDR3_CS0_N_HI3516A: R13.1 U4.C8
DDR3_CS1_N_HI3516A: R14.1 U4.B1
DDR3_DM0: U4.B12 U7.E7
DDR3_DM1: U4.D13 U7.D3
DDR3_DM2: U4.H3 U8.E7
DDR3_DM3: U4.F4 U8.D3
DDR3_DQ0: U4.A16 U7.E3
DDR3_DQ1: U4.D12 U7.F7
DDR3_DQ2: U4.C13 U7.F2
DDR3_DQ3: U4.C11 U7.F8
DDR3_DQ4: U4.C14 U7.H3
DDR3_DQ5: U4.C10 U7.H8
DDR3_DQ6: U4.A17 U7.G2
DDR3_DQ7: U4.D11 U7.H7
DDR3_DQ8: U4.C12 U7.D7
DDR3_DQ9: U4.C15 U7.C3
DDR3_DQ10: U4.A12 U7.C8
DDR3_DQ11: U4.D15 U7.C2
DDR3_DQ12: U4.B16 U7.A7
DDR3_DQ13: U4.C16 U7.A2
DDR3_DQ14: U4.D14 U7.B8
DDR3_DQ15: U4.D16 U7.A3
DDR3_DQ16: U4.G3 U8.E3
DDR3_DQ17: U4.D3 U8.F7
DDR3_DQ18: U4.F3 U8.F2
DDR3_DQ19: U4.E4 U8.F8
DDR3_DQ20: U4.C2 U8.H3
DDR3_DQ21: U4.E3 U8.H8
DDR3_DQ22: U4.C1 U8.G2
DDR3_DQ23: U4.D2 U8.H7
DDR3_DQ24: U4.J3 U8.D7
DDR3_DQ25: U4.D1 U8.C3
DDR3_DQ26: U4.J1 U8.C8
DDR3_DQ27: U4.H4 U8.C2
DDR3_DQ28: U4.H2 U8.A7
DDR3_DQ29: U4.J4 U8.A2
DDR3_DQ30: U4.H1 U8.B8
DDR3_DQ31: U4.G4 U8.A3
DDR3_DQS0_N: U4.A15 U7.G3
DDR3_DQS0_P: U4.B15 U7.F3
DDR3_DQS1_N: U4.A13 U7.B7
DDR3_DQS1_P: U4.B13 U7.C7
DDR3_DQS2_N: U4.E2 U8.G3
DDR3_DQS2_P: U4.E1 U8.F3
DDR3_DQS3_N: U4.G1 U8.B7
DDR3_DQS3_P: U4.G2 U8.C7
DDR3_ODT_0: R16.2 U7.K1
DDR3_ODT_0_HI3516A: R16.1 U4.D10
DDR3_ODT_1: R15.2 U8.K1
DDR3_ODT_1_HI3516A: R15.1 U4.B2
DDR3_RAS_N_HI3516A: RN9.1 RN10.1 U4.B3
DDR3_RESET_N_HI3516A: R52.1 RN1.1 RN7.1 U4.B6
DDR3_WE_N_HI3516A: RN9.3 RN10.3 U4.C4
DDR3_ZQ: R48.1 U4.J2
EPHY_CLK: J2.88 R17.1
ETH_RSTN: J2.94 U4.D20
FLASH_RSTN: C129.1 J3.33 R132.2 U1.3
FLASH_TRIG: J3.3 R112.2 U4.Y15
FOCUS_PI_OUT: R32.2 U4.AB4
GPIO0_2: J1.52 U4.AB18
GPIO1: J3.45 U4.W7
GPIO2: J3.58 U4.AB7
GPIO3: J3.29 U4.AB6
GPIO4: J3.39 U4.AA5
GPIO5: J3.35 U4.AB5
GPIO12_7: J1.50 U4.AB8
HI3516A_ALARM_IN: J2.21 U4.W20
HI3516A_ALARM_OUT: J2.22 U4.AA17
I2C2_SCL: J2.17 R42.2 U4.AB21
I2C2_SDA: J2.42 R43.2 U4.AA20
I2S_BCLK_TX: J2.11 U4.Y6
I2S_MCLK: J2.15 R33.2
I2S_SD_RX: J2.3 U4.Y7
I2S_SD_TX: J2.5 U4.Y5
I2S_WS_TX: J2.9 U4.W5
IR_LED_CONTROL: J2.16 R109.2 U4.AB16
IRCUT_CONTROL_1: J1.34 U4.AA7
IRCUT_CONTROL_2: J1.36 U4.W4
JTAG_EN: R54.2 R56.1 U4.T2
JTAG_TCK: J2.8 U4.Y18
JTAG_TDI: J2.28 U4.AA19
JTAG_TDO: J2.4 U4.W18
JTAG_TMS: J2.26 U4.AB19
JTAG_TRSTN: J2.20 U4.AB17
LIGHT_RESISTOR: J3.9 R31.2 U4.V3
MDCK: J2.108 R113.1
MDIO: J2.90 U4.D18
MIPI0_CKM/VI_DAT4: J1.21 U4.Y10
MIPI0_CKP/VI_DAT5: J1.23 U4.W10
MIPI0_D0M/VI_DAT0: J1.9 U4.AB10
MIPI0_D0P/VI_DAT1: J1.11 U4.AA10
MIPI0_D1M/VI_HS: J1.3 U4.AB9
MIPI0_D1P/VI_VS: J1.5 U4.AA9
MIPI0_D2M/VI_DAT6: J1.27 U4.AB11
MIPI0_D2P/VI_DAT7: J1.29 U4.AA11
MIPI0_D3M/VI_DAT2: J1.15 U4.W9
MIPI0_D3P/VI_DAT3: J1.17 U4.Y9
MIPI1_CKM/VI_DAT13: J1.47 U4.W13
MIPI1_CKP/VI_DAT12: J1.45 U4.Y13
MIPI1_D0M/VI_DAT15: J1.53 U4.AA13
MIPI1_D0P/VI_DAT14: J1.51 U4.AB13
MIPI1_D1M/VI_DAT11: J1.41 U4.Y12
MIPI1_D1P/VI_DAT10: J1.39 U4.W12
MIPI1_D2M: J1.59 U4.AA14
MIPI1_D2P/VI_CLK: J1.57 U4.AB14
MIPI1_D3M/VI_DAT9: J1.35 U4.AA12
MIPI1_D3P/VI_DAT8: J1.33 U4.AB12
MUTE: J2.29 U4.V22
NF_ALE: U4.N2 U9.17
NF_CLE: U4.M1 U9.16
NF_CSN0: R68.1 U4.L1 U9.9
NF_CSN1: R67.1 R97.2 U9.10
NF_CSN1/SFC_CSN0: R96.1 R97.1 U4.M2
NF_DQ0: U4.N3 U9.29
NF_DQ1: U4.L4 U9.30
NF_DQ2: U4.K4 U9.31
NF_DQ3: U4.K3 U9.32
NF_DQ4: U4.L3 U9.41
NF_DQ5: U4.M3 U9.42
NF_DQ6: U4.M4 U9.43
NF_DQ7: U4.N4 U9.44
NF_RDY0: R66.1 U4.K1 U9.7
NF_RDY1: R69.1 U4.K2 U9.6
NF_REN: U4.L2 U9.8
NF_WEN: U4.N1 U9.18
NF_WPN: R46.1 R47.1 U9.19
PER_RSTN: J3.5 R108.2
POR_SEL: J3.57 U4.T3
RGMII_RX_CLK: J2.102 U4.A21
RGMII_RX_DV: J2.100 U4.B18
RGMII_RXD0: J2.118 U4.A18
RGMII_RXD1: J2.96 U4.C18
RGMII_RXD2: J2.114 U4.A19
RGMII_RXD3: J2.106 U4.A20
RGMII_TX_CLK: J2.109 R18.1
RGMII_TX_EN: J2.111 R24.1
RGMII_TXD0: J2.117 R20.1
RGMII_TXD1: J2.103 R21.1
RGMII_TXD2: J2.115 R22.1
RGMII_TXD3: J2.105 R23.1
SD0_LED: J3.51 U4.W8
SD1_LED: J3.41 U4.Y4
SDIO0_CARD_DETECT: J2.51 U4.N19
SDIO0_CARD_POWER_EN: J2.53 U4.N20
SDIO0_CCLK_OUT: J2.64 U4.L22
SDIO0_CCMD: J2.65 U4.M20
SDIO0_CDATA0: J2.63 U4.M19
SDIO0_CDATA1: J2.66 U4.L21
SDIO0_CDATA2: J2.69 U4.L20
SDIO0_CDATA3: J2.71 U4.M21
SDIO0_CWPR: R61.1 U4.M22
SDIO0_VOUT: C149.1 C155.1 J2.82 U4.M18
SDIO1_CARD_DETECT: J2.99 U4.J20
SDIO1_CARD_POWER_EN: J2.84 U4.J21
SDIO1_CCLK_OUT: J2.70 U4.K22
SDIO1_CCMD: J2.72 U4.K21
SDIO1_CDATA0: J2.91 U4.K20
SDIO1_CDATA1: J2.76 U4.J22
SDIO1_CDATA2: J2.85 U4.L19
SDIO1_CDATA3: J2.87 U4.K19
SDIO1_CWPR: R62.1 U4.J19
SDIO1_VOUT: C148.1 C154.1 J2.78 U4.K18
SENSOR_CLK: J1.18 R25.1
SENSOR_RSTN: J1.16 U4.Y1
SFC_CLK/SFC_BOOT_MODE: R19.1 R57.1 R58.2 U1.16 U3.6
SFC_CSN0: R64.2 R96.2 U1.6
SFC_CSN1: R70.2 U1.7 U3.1 U4.R3
SFC_DI_IO1: U1.8 U3.2 U4.P3
SFC_DO_IO0: U1.15 U3.5 U4.R2
SFC_HOLD_IO3: R63.2 R131.2 U1.1 U4.R4
SFC_WP_IO2: R65.1 U1.9 U3.3 U4.P2
SHUTTER_TRIG: R107.2 U4.W15
SPI0_CLK/I2C0_SCL: J1.6 R41.2 U4.AB2
SPI0_CSN: J1.10 R60.2 U4.Y3
SPI0_MISO: J1.12 U4.AA2
SPI0_MOSI/I2C0_SDA: J1.8 R40.2 U4.Y2
SPI1_CLK/I2C1_SCL: J1.46 R114.2 U4.AA16
SPI1_CSN0: J1.44 R130.2 U4.Y17
SPI1_MISO: J1.42 U4.W16
SPI1_MOSI/I2C1_SDA: J1.48 R105.2 U4.Y16
SVB_PWM_CPU: R87.1 U4.AA21
SVB_PWM_DDR: R81.2 U4.W19
SVB_PWM_MEDIA: R83.2 U4.AA22
SVB_PWM_VDD: R86.2 U4.V20
SYS_RSTN: C97.1 J3.60 U4.P4
TEMPER_DQ: J2.14 U4.Y20
TEST_MODE: R55.1 U4.T1
UART0_RXD: J3.46 U4.W21
UART0_TXD: J3.42 U4.Y21
UART1_RTSN: J2.10 U4.Y19
UART1_RXD: J2.23 U4.Y22
UART1_TXD: J2.27 U4.W22
USB_DM: J3.23 U4.U21
USB_DP: J3.21 U4.U22
USB_OVRCUR: J3.48 U4.V21
USB_PWREN: J3.54 U4.V19
USB_REXT: R29.1 R30.1 U4.U20
VDAC_CVBS: J2.44 R51.1 U4.T20
VDAC_IREF: R44.1 R111.1 U4.T19
VI_POWER: J1.22 J1.24 J2.45
VO_CLK: J3.18 R26.2
VO_DAT0/BOOT_SEL: J3.40 U4.H20
VO_DAT1/BOOTROM_SEL: J3.36 U4.H19
VO_DAT2: J3.22 U4.H21
VO_DAT3/SFC_DEVICE_MODE: J3.30 U4.G19
VO_DAT4: J3.12 U4.G21
VO_DAT5: J3.10 U4.F22
VO_DAT6: J3.28 U4.G20
VO_DAT7: J3.6 U4.F21
VO_DAT8: J3.34 U4.F19
VO_DAT9/SFC_NAND_BOOT_PIN0: J3.4 U4.E22
VO_DAT10/SFC_NAND_BOOT_PIN1: J3.16 U4.F20
VO_DAT11/SFC_NAND_BOOT_PIN2: J3.27 U4.E21
VO_DAT12: J3.17 U4.D22
VO_DAT13: J3.15 U4.D21
VO_DAT14: J3.24 U4.E20
VO_DAT15: J3.11 U4.C22
WDG_RSTN/SYS_RSTN_OUT: J3.59 R59.1 U4.T4
ZOOM_PI_OUT: R110.2 U4.AB3
$5N28: L5.2 U2.6
$5N31: C24.1 R45.2 U2.1
$5N108: R28.1 R88.1 R89.1 U2.2
$5N113: C6.1 R80.1 R87.2
$5N121: C3.1 R81.1 R82.2
$5N126: R82.1 R92.2
$5N129: C113.1 R3.2 U12.2
$5N141: L1.1 U12.3
$5N147: L4.1 U12.6
$5N151: R84.1 R90.2
$5N155: C4.1 R83.1 R84.2
$5N162: L3.1 U11.6
$5N175: L2.1 U11.3
$5N183: C112.1 R1.2 U11.4
$5N195: C111.1 R2.2 U11.2
$5N198: C5.1 R85.2 R86.1
$5N224: R39.2 R93.1 R94.1 R103.1
$5N231: C114.1 R4.2 U12.4
$5N272: R88.2 R106.1
$5N274: R89.2 R98.1
$5N309: R36.1 R90.1 R99.1 R100.1
$5N313: R37.1 R91.1 R95.2 R101.1
$5N315: R85.1 R91.2
$5N321: R38.1 R71.2 R92.1 R102.1
$5N325: R80.2 R93.2
$5N331: R71.1 U12.1
$5N339: R95.1 U11.1
$5N341: R94.2 U12.8
$5N346: R99.2 U11.8
$8N971: R50.1 U7.L8
$8N1113: R49.1 U8.L8
$9N25: C130.1 R27.1 U4.U1 X1.1
$9N27: C131.1 R104.2 X1.3
$9N38: R27.2 R104.1 U4.U2
$9N47: C2.1 U4.W2 X2.1
$9N49: C1.1 U4.W1 X2.2
$9N391: C15.1 LB3.1 R115.1 R116.1
$9N454: R17.2 U4.E19
$9N456: R18.2 U4.B22
$9N487: R19.2 U4.P1
$9N766: R24.2 U4.C19
$9N767: R23.2 U4.D19
$9N770: R22.2 U4.C20
$9N771: R21.2 U4.C21
$9N774: R20.2 U4.B21
$9N778: R113.2 U4.B19
$10N15: R25.2 U4.AA1
$10N485: R26.1 U4.G22
$10N560: R33.1 U4.W6
$11N388: C115.1 U4.P22
$11N544: C116.1 U4.P21
$12N24: J1.28 R112.1
$12N53: C109.1 C118.1 J1.56 J1.58 J1.60 L6.1(TP-1)
$12N265: J1.2 R31.1 R32.1
$12N417: J1.30 R107.1 R108.1
$12N425: J1.32 R109.1 R110.1
$13N609: R131.1 R132.1 U3.7

Pads without a net: J1 40; J2 32 33 38 39 43 47 54 60 75 81 97 112 116; J3 47 65 66 73 74 79 80 81 82 83 84 85 86 87 88 89 90 91 92 93 94 95 96 97 98 99 100 101 102 103 104 105 106 107 108 109 110 111 112 113 114 115 116 117 118; NOREF#4 1; NOREF#17 1; NOREF#19 1; NOREF#21 1; NOREF#23 1; NOREF#24 1; U1 4 5 11 12 13 14; U2 8; U4 AA4 V4; U7 J1 J9 L1 L9 M7; U8 J1 J9 L1 L9 M7; U9 1 2 3 4 5 11 14 15 20 21 22 23 24 25 26 27 28 33 34 35 38 39 40 45 46 47 48

## Via types
v1: diameter 0.559, hole 0.254, TOP to BOTTOM, 711 vias
v2: diameter 0.406, hole 0.203, TOP to BOTTOM, 575 vias
v3: diameter 0.457, hole 0.203, TOP to BOTTOM, 1 via
